# Altium PCB PCB.PcbDoc (part 1 of 3) (continued)
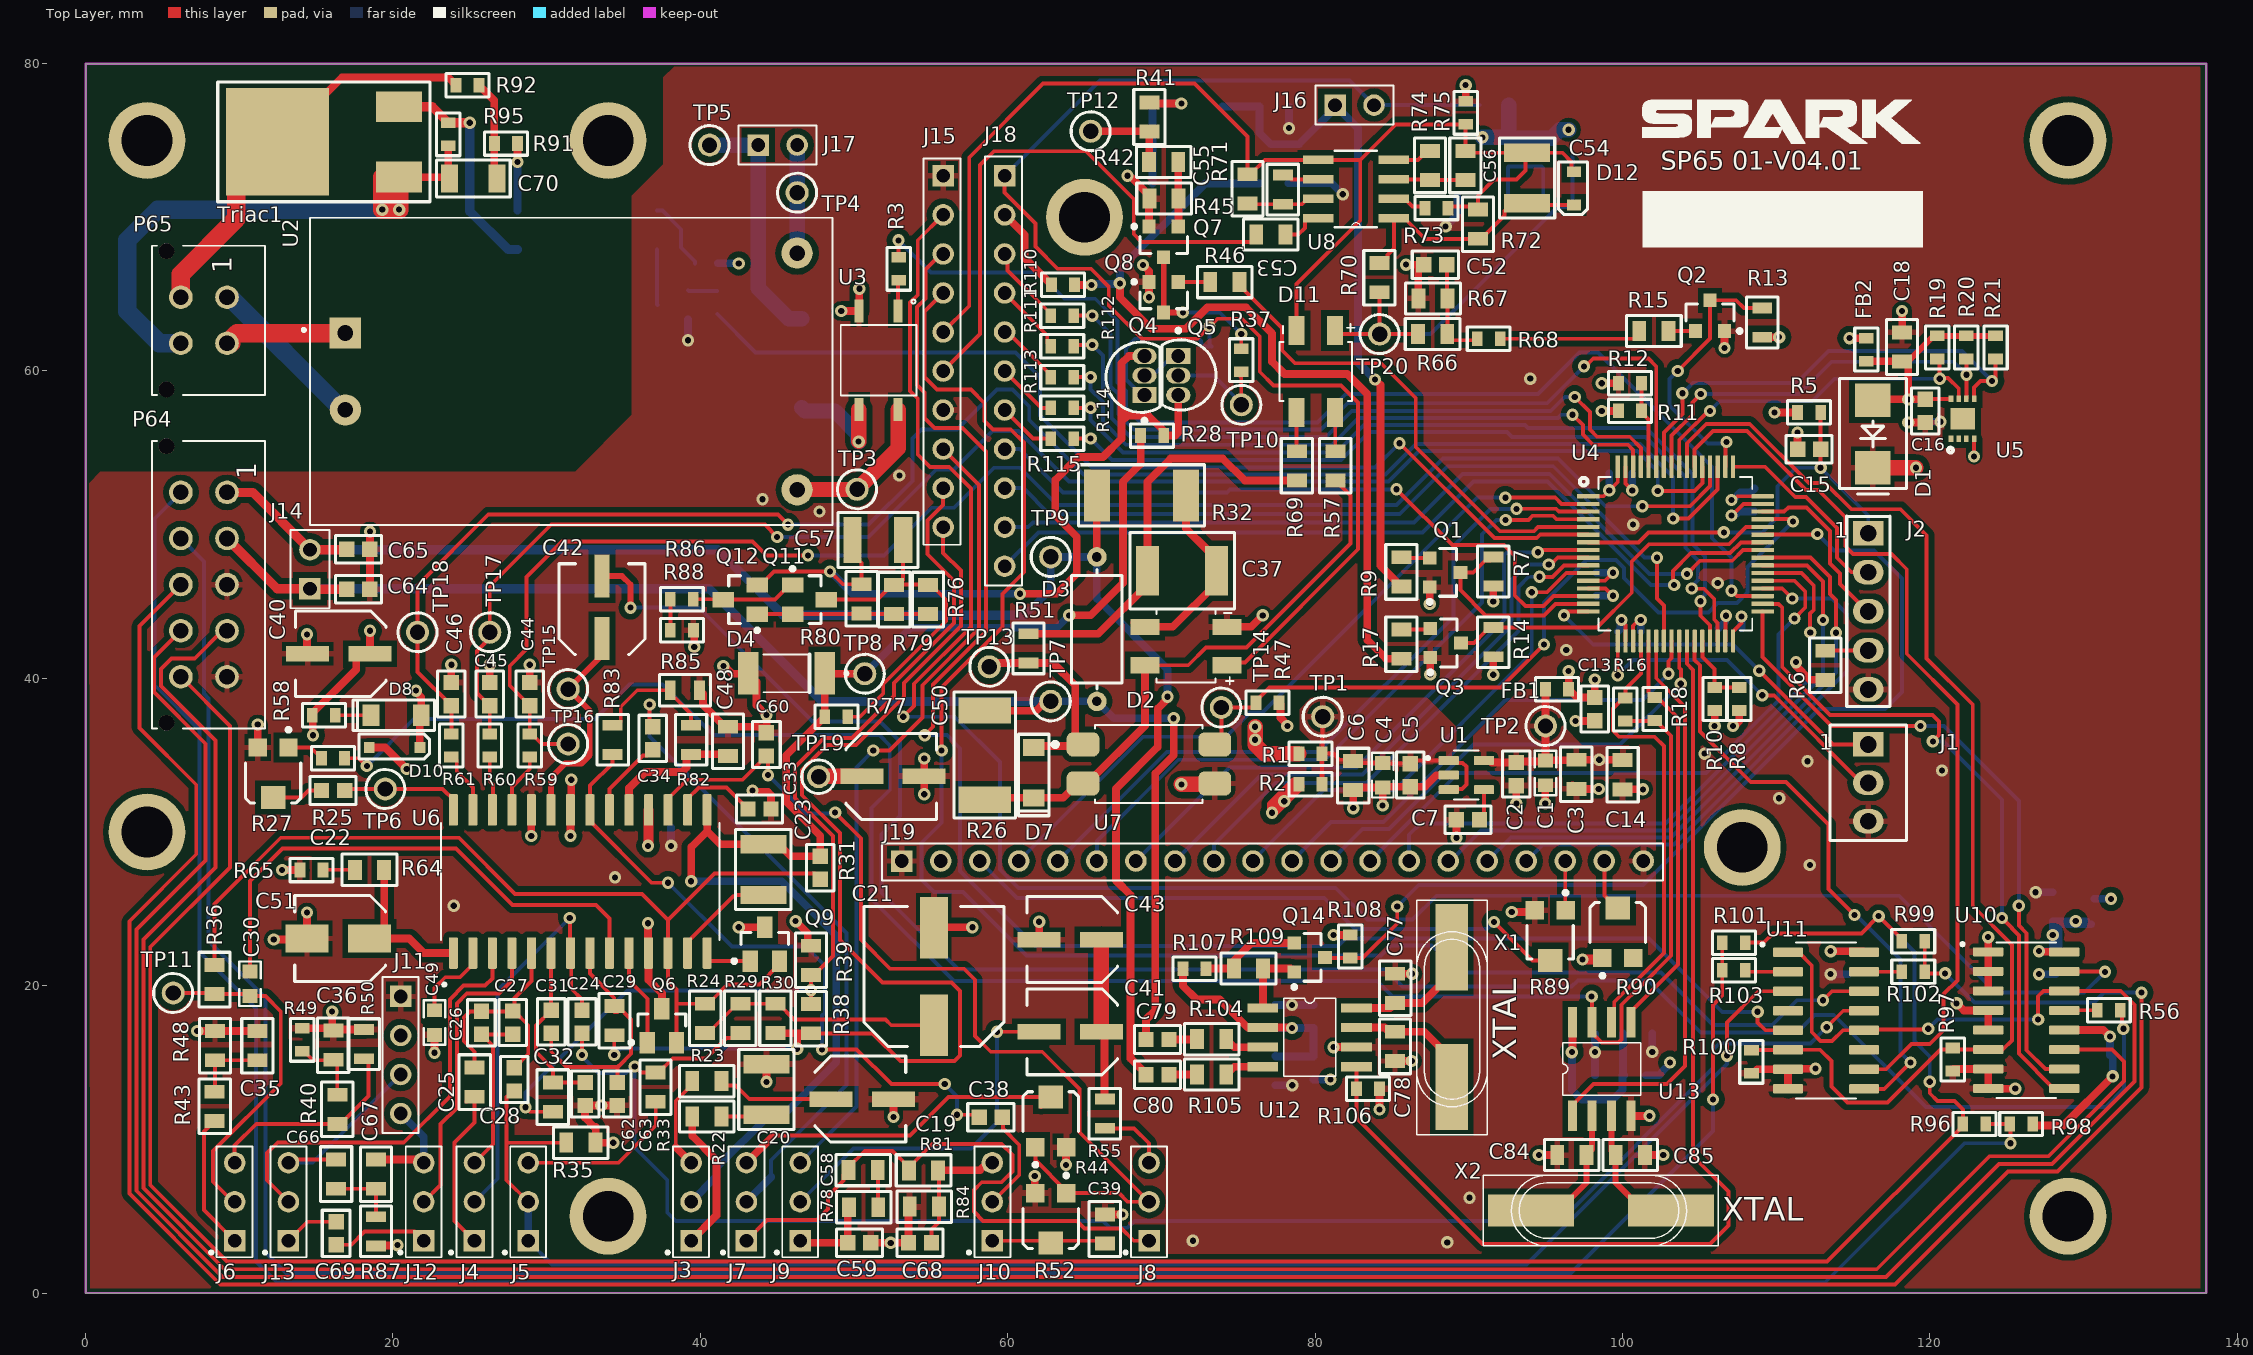
[diagram p0: Top Layer view]
## Footprints (in the part's own frame and the unit in brackets; to place one, negate y for a bottom-side part, rotate by r counter-clockwise, add the part's x,y. Pads: shape width x height; smd on the part's side, far side on the other; paste and mask are expansions set on the pad) (continued)
  silkscreen extent -2.95,-2.79 2.95,2.79, body extent -2.95,-2.67 2.95,2.54, height 5.5
"CAPAE6767X56M 100UF 16V" [mm]
  rect 2.8x1 smd: 1(-2.286,-0.381) 2(1.769,-0.381)
  silkscreen extent -3.33,-3.17 2.57,2.41, body extent -3.33,-3.05 2.57,2.16, height 5.5
"CAPAE9290X56M 220UF 6.3V" [mm]
  rect 4x1.8 smd: 1(-3.175,0) 2(3.175,0)
  silkscreen extent -4.55,-4.55 4.55,4.55, body extent -4.55,-4.55 4.55,4.55, height 5.65
"CAPAE9984X105M 470UF 6.3V" [mm]
  rect 2.8x1 smd: 1(2.032,2.159) 2(6.087,2.159)
  silkscreen extent 0.99,-0.63 6.89,4.95, body extent 0.99,-0.51 6.89,4.7, height 5.5
demultiplexer [mm]
  rrect25% 1.97x0.6 smd: 1(-2.348,8.001) 2(-2.348,6.731) 3(-2.348,5.461) 4(-2.348,4.191) 5(-2.348,2.921) 6(-2.348,1.651) 7(-2.348,0.381) 8(-2.348,-0.889) 9(2.602,-0.889) 10(2.602,0.381) 11(2.602,1.651) 12(2.602,2.921) 13(2.602,4.191) 14(2.602,5.461) 15(2.602,6.731) 16(2.602,8.001)
  silkscreen extent -4.12,-1.51 2.08,8.62, body extent -2.87,-1.52 3.12,8.38, height 1.75
DIOB_MB10F-13 [mm]
  rect 1.875x1.05 smd: 1(-2.662,1.25) 2(2.662,1.25) 3(-2.662,-1.25) 4(2.662,-1.25)
  silkscreen extent -3.1,-2.36 1.92,2.52, body extent -3.4,-2.45 3.4,2.45, height 1.61
"Diode - 27V" [mm]
  rect 0.7x0.9 smd: 1(1.143,0) 2(-1.016,0)
  silkscreen extent -1.65,-1.02 1.78,0.89, body extent -1.25,-0.63 1.25,0.63, height 1.1
DIOMELF5124N [mm]
  rect 1.34x2.78 smd: A(2.485,0) C(-2.485,0)
  silkscreen extent -4,-1.23 1.5,1.23, body extent -2.55,-1.35 2.6,1.3, height 2.66
DO-214AA-2 [mil]
  rect 60x86 smd: 1(-90,0) 2(90,0)
  silkscreen extent -115,-80 100,97, body extent -106,-71 106,71, height 90
DSS [mil]
  round 50 hole 25: 1(185,0) 2(-185,0)
  silkscreen extent -153,-65 153,65, body extent -193,-44 191,45, height 90
FAIR-SOT23-3_V [mm] "SOT23, 3-Leads, Body 3.12x1.5mm, Pitch 0.95mm"
  rect 1.4x1 smd: 1(-1.1,0.95) 2(-1.1,-0.95) 3(1.1,0)
  silkscreen extent -1.22,-1.55 0.75,2.12, body extent -1.35,-1.56 1.35,1.56, height 1.2
"HDR_MALE_1x3_2.5MM_AMP EI_VERT" [mm]
  rect 2x1.6 hole 1.1: 1(0,2.5)
  oval 2x1.6 hole 1.1: 2(0,0) 3(0,-2.5)
  silkscreen extent -2.5,-3.75 2.5,3.75, body extent -2.4,-3.75 2.5,3.75, height 10.41
HDR_male_1x5_2.54mm [mm]
  rect 2x1.6 hole 1.1: 1(0,5.08)
  oval 2x1.6 hole 1.1: 2(0,2.54) 3(0,0) 4(0,-2.54) 5(0,-5.08)
  silkscreen extent -1.4,-6.18 1.4,6.19, body extent -1.17,-6.15 1.17,6.15, height 8.14
HLK-PMO1 [mil]
  rect 80x80 hole 40: 1(-768.74,333.43)
  round 80 hole 40: 2(-768.74,136.57) 3(388.74,538.15) 4(388.74,-68.15)
  silkscreen extent -879,-159 479,629, body extent -859,-163 479,633, height 594
KSTN-5003 [mm] "Test Point, Through Hole, Dia 2.54mm"
  round 1.5 hole 1: 1(0,0)
  silkscreen extent -1.27,-1.27 1.27,1.27, body extent -1.27,-1.27 1.27,1.27, height 4.57
LM [mm]
  rrect25% 1.32x0.59 smd: 1(1.998,-0.396) 2(1.998,0.554) 3(1.998,1.504) 4(-0.292,1.504) 5(-0.292,-0.396)
  silkscreen extent 0.05,-1.05 3.45,2.15, body extent -0.51,-0.89 2.29,2.06, height 1.19
NV24C16UV [mm]
  rect 0.4x0.3 smd: 1(0.094,1.397) 2(0.094,0.897) 3(0.094,0.397) 4(0.094,-0.103) 5(2.692,-0.103) 6(2.692,0.397) 7(2.692,0.897) 8(2.692,1.397)
  rect 1.4x1.6 smd: PAD(1.397,0.635)
  body extent -0.13,-0.37 2.87,1.64, height 0.6
"POWER 10 PIN" [mm]
  round 1.53 hole 1.02: 1(6.254,0.532) 2(3.254,0.532) 3(0.254,0.532) 4(-2.746,0.532) 5(-5.746,0.532) 6(6.254,3.532) 7(3.254,3.532) 8(0.254,3.532) 9(-2.746,3.532) 10(-5.746,3.532)
  round 1.02 hole 1.02 unplated: 11(9.254,4.472) 12(-8.746,4.472)
  silkscreen extent -9.1,-1.95 9.6,5.41, body extent -9.09,-1.92 9.61,6.84, height 9.98
power-4pin [mm]
  round 1.53 hole 1.02: 1(1.373,0.659) 2(-1.627,0.659) 3(1.373,3.659) 4(-1.627,3.659)
  round 1.02 hole 1.02 unplated: 5(4.373,4.599) 6(-4.627,4.599)
  silkscreen extent -4.98,-1.82 4.72,5.54, body extent -4.95,-1.84 4.75,6.92, height 9.93
R0603 [mm]
  rect 0.7x0.95 smd: 1(-0.75,0) 2(0.75,0)
  silkscreen extent -1.4,-0.76 1.4,0.76, body extent -0.8,-0.4 0.8,0.4, height 0.85
R0805 [mm]
  rect 0.7x1.3 smd: 1(-0.95,0) 2(0.95,0)
  silkscreen extent -1.65,-1.02 1.65,1.02, body extent -1,-0.6 1,0.6, height 0.71
R2512 [mm] "Molded Resistor, 2-Leads, Body 6.4x3.2mm, IPC Medium Density"
  rect 1.7x3.4 smd mask+0.15: 1(-2.9,0) 2(2.9,0)
  silkscreen extent -4.1,-2 4.1,2, body extent -3.23,-1.58 3.07,1.58, height 0.82
"SMB (DO-214AA)" [mm]
  rect 2.2x2.3 smd: 1(-2.2,0) 2(2.2,0)
  silkscreen extent -3.6,-2.18 3.91,2.18, body extent -2.74,-1.94 2.85,2.01, height 2.6
SOD-123 [mm]
  rect 1.1x1.4 smd: 1(1.64,0) 2(-1.64,0)
  silkscreen extent -2.8,-1 2.5,1, body extent -1.85,-0.8 1.85,0.8, height 1.22
SOIC254P975X460-4N [mm]
  rrect50% 2.13x1.57 smd: 1(-4.29,1.27) 2(-4.29,-1.27) 3(4.29,-1.27) 4(4.29,1.27)
  silkscreen extent -6.25,-2.54 3.5,2.54, body extent -5,-2.29 5,2.29, height 3.86
SOP4 [mm]
  rect 1.5x0.6 smd: 1(-2.697,2.667) 2(-2.697,0.127) 3(3.713,0.127) 4(3.713,2.667)
  silkscreen extent -3.44,-1.06 2.79,3.86, body extent -2.89,-0.75 3.91,3.55, height 2.1
SOT23127P600-8N [mm]
  rect 0.9x0.85 smd: 1(-1,-0.95) 2(-1,0.95) 3(1,0)
  silkscreen extent -1.12,-2.05 0.75,1.55, body extent -1.3,-1.55 1.3,1.55, height 1.2
SSOIC8 [mm]
  rect 2x0.6 smd: 1(-3.048,1.905) 2(-3.048,0.635) 3(-3.048,-0.635) 4(-3.048,-1.905) 5(3.048,-1.905) 6(3.048,-0.635) 7(3.048,0.635) 8(3.048,1.905)
  silkscreen extent -1.69,-2.54 1.72,2.54, body extent -3.1,-2.5 3.1,2.5, height 1.75
STM32L100RCT6TR-Footprint-1 [mm]
  rrect25% 1.47x0.28 smd: 1(-5.67,3.75) 2(-5.67,3.25) 3(-5.67,2.75) 4(-5.67,2.25) 5(-5.67,1.75) 6(-5.67,1.25) 7(-5.67,0.75) 8(-5.67,0.25) 9(-5.67,-0.25) 10(-5.67,-0.75) 11(-5.67,-1.25) 12(-5.67,-1.75) 13(-5.67,-2.25) 14(-5.67,-2.75) 15(-5.67,-3.25) 16(-5.67,-3.75) 33(5.67,-3.75) 34(5.67,-3.25) 35(5.67,-2.75) 36(5.67,-2.25) 37(5.67,-1.75) 38(5.67,-1.25) 39(5.67,-0.75) 40(5.67,-0.25) 41(5.67,0.25) 42(5.67,0.75) 43(5.67,1.25) 44(5.67,1.75) 45(5.67,2.25) 46(5.67,2.75) 47(5.67,3.25) 48(5.67,3.75)
  rrect25% 0.28x1.47 smd: 17(-3.75,-5.67) 18(-3.25,-5.67) 19(-2.75,-5.67) 20(-2.25,-5.67) 21(-1.75,-5.67) 22(-1.25,-5.67) 23(-0.75,-5.67) 24(-0.25,-5.67) 25(0.25,-5.67) 26(0.75,-5.67) 27(1.25,-5.67) 28(1.75,-5.67) 29(2.25,-5.67) 30(2.75,-5.67) 31(3.25,-5.67) 32(3.75,-5.67) 49(3.75,5.67) 50(3.25,5.67) 51(2.75,5.67) 52(2.25,5.67) 53(1.75,5.67) 54(1.25,5.67) 55(0.75,5.67) 56(0.25,5.67) 57(-0.25,5.67) 58(-0.75,5.67) 59(-1.25,5.67) 60(-1.75,5.67) 61(-2.25,5.67) 62(-2.75,5.67) 63(-3.25,5.67) 64(-3.75,5.67)
  silkscreen extent -6.22,-5 5,5, body extent -6,-6 6,6, height 1.6
SW-TRIAC [mm]
  rrect25% 2.09x1.39 smd: 1(-3.524,3.302) 2(-3.524,0.762) 3(5.556,0.762) 4(5.556,3.302)
  silkscreen extent -2.48,-0.52 4.52,4.58, body extent -4.06,-0.27 6.1,4.33, height 3.86
TE_5-146274-2 [mm]
  rect 1.398x1.398 hole 0.89: 1(-1.27,0)
  round 1.398 hole 0.89: 2(1.27,0)
  silkscreen extent -2.54,-1.27 2.54,1.27, body extent -2.54,-1.27 2.54,1.27, height 8.45
TE_5-146274-3 [mm]
  rect 1.398x1.398 hole 0.89: 1(-2.54,0)
  round 1.398 hole 0.89: 2(0,0) 3(2.54,0)
  silkscreen extent -3.61,-1.17 3.61,1.62, body extent -3.61,-1.17 3.61,1.17, height 8.13
UNIC-TO-92-3 [mm] "TO-92, 3-Leads, Dia 4.58mm, Pitch 1.27mm"
  rect 1.05x1.575 hole 0.9: 1(1.27,0)
  oval 1.05x1.575 hole 0.9: 2(0,0) 3(-1.27,0)
  silkscreen extent -2.18,-2.5 3.05,1, body extent -2.3,-2.6 2.3,0.94, height 7.23
XTAL [mm]
  rect 5.6x2.1 smd: 1(0,0) 2(9.1,0)
  silkscreen extent -3.05,-2.29 12.2,2.31, body extent -1.07,-2.34 10.43,2.36, height 3.9
"Zener 5.1V" [mm]
  rect 0.7x0.7 smd: 1(1.651,0) 2(-1.651,0)
  silkscreen extent -2.25,-0.76 2.29,0.89, body extent -1.78,-0.77 1.87,0.78, height 1.43

## Part data
C1 C4 C30 C49: library part Cap_1uF_25V_0603, "Cap_1uF_10%_X5R_25V_0603", Manufacturer=Samsung, MFR PART NO=CL10A105KA8NNNC
C2 C5 C8 C9 C10 C11 C12 C13 C15 C17 C22 C24 C27 C28 C34 C60 C61 C71 C74 C81: library part CMP-001-00108-2, "YAGEO - CC0603KRX7R8BB104 - CERAMIC CAPACITOR, 0.1UF, 25V, X7R, 10%, 0603, FULL REEL", Case Code (Metric)=1608, Case/Package=0603, Dielectric=X7R, Manufacturer 1=Yageo, Max Operating Temperature=125°C, Min Operating Temperature=-55°C, Package Quantity=1, Resistor Type=Ceramic, Tolerance=10%, Voltage=25V, Category="Ceramic Capacitors", ComponentLink1Description=https://datasheet.ciiva.com/144/mlccorderingcode-144075.pdf?src-supplier=Digi-Key, ComponentLink1URL=https://datasheet.ciiva.com/144/mlccorderingcode-144075.pdf?src-supplier=Digi-Key, ComponentLink2Description=https://datasheet.ciiva.com/11786/0900766b80c10176-11786120.pdf?src-supplier=RSComponents, ComponentLink2URL=https://datasheet.ciiva.com/11786/0900766b80c10176-11786120.pdf?src-supplier=RSComponents, ComponentLink3Description=https://datasheet.ciiva.com/7978/1489800-7978155.pdf?src-supplier=Element14, ComponentLink3URL=https://datasheet.ciiva.com/7978/1489800-7978155.pdf?src-supplier=Element14, ComponentLink4Description=https://datasheet.ciiva.com/28450/1489800-28450584.pdf?src-supplier=Element14, ComponentLink4URL=https://datasheet.ciiva.com/28450/1489800-28450584.pdf?src-supplier=Element14, ComponentLink5Description=https://datasheet.ciiva.com/144/mlccorderingcode-144074.pdf?src-supplier=Digi-Key, ComponentLink5URL=https://datasheet.ciiva.com/144/mlccorderingcode-144074.pdf?src-supplier=Digi-Key, ComponentLink6Description=https://datasheet.ciiva.com/144/mlccorderingcode-144073.pdf?src-supplier=Digi-Key, ComponentLink6URL=https://datasheet.ciiva.com/144/mlccorderingcode-144073.pdf?src-supplier=Digi-Key, ComponentLink7Description=https://datasheet.ciiva.com/13389/upy-gphc-x7r-6-3v-to-50v-8-13389352.pdf?src-supplier=Mouser, ComponentLink7URL=https://datasheet.ciiva.com/13389/upy-gphc-x7r-6-3v-to-50v-8-13389352.pdf?src-supplier=Mouser, ComponentLink8Description=https://datasheet.ciiva.com/11587/upy-gphc-x7r-6-3v-to-50v-8-11587208.pdf?src-supplier=Avnet, ComponentLink8URL=https://datasheet.ciiva.com/11587/upy-gphc-x7r-6-3v-to-50v-8-11587208.pdf?src-supplier=Avnet, ComponentLink9Description=https://datasheet.ciiva.com/26829/getdatasheetpartid-403577-26829431.pdf?src-supplier=Verical, ComponentLink9URL=https://datasheet.ciiva.com/26829/getdatasheetpartid-403577-26829431.pdf?src-supplier=Verical, ComponentLink10Description=https://datasheet.ciiva.com/17434/upy-gphc-x7r-6-3v-to-50v-8-17434263.pdf?src-supplier=Avnet+Europe, ComponentLink10URL=https://datasheet.ciiva.com/17434/upy-gphc-x7r-6-3v-to-50v-8-17434263.pdf?src-supplier=Avnet+Europe, Depth=0.8mm, Design Item ID=CC0603KRX7R8BB104, Halogen Free="Halogen Free", Height=0.8mm, Lead Free="Lead Free", Length=1.6mm, Manufacturer Part Number 1=CC0603KRX7R8BB104, Mount="Surface Mount", Packaging="Tape and Reel", Pins=2, Pricing 1="1=0.10000, 10=0.05000, 50=0.02720, 100=0.02220, 500=0.01586, 1000=0.01246 (USD)", Radiation Hardening=No, REACH SVHC=Unknown, RoHS=Yes, RoHS Compliant=Yes, Series=CC, Source=PTZLib.SchLib, Stock 1=4053185, Termination=SMD/SMT, Thickness=0.035inch, Voltage Rating=25V, Voltage Rating (DC)=25V, Width=0.8mm
C3 C6 C14 C18 C73 C76 C83: library part CMP-001-00180-2, "Ceramic Capacitor, 10UF, 6.3V, X5R, 10%, 0805, Full Reel", Capacitor Type="Ceramic Capacitors", Case Code (Metric)=2012, Case/Package=0805, Dielectric=X5R, Dielectric Material=Ceramic, Manufacturer=KEMET, Max Operating Temperature=85°C, Min Operating Temperature=-55°C, Tolerance=10%, Voltage Rating=6.3V, ComponentLink1Description=https://datasheet.ciiva.com/7842/kem-c1006-x5r-smd-7842200.pdf?src-supplier=Element14, ComponentLink1URL=https://datasheet.ciiva.com/7842/kem-c1006-x5r-smd-7842200.pdf?src-supplier=Element14, ComponentLink2Description=https://datasheet.ciiva.com/7842/kem-c1006-x5r-smd-7842201.pdf?src-supplier=Element14, ComponentLink2URL=https://datasheet.ciiva.com/7842/kem-c1006-x5r-smd-7842201.pdf?src-supplier=Element14, ComponentLink3Description=https://datasheet.ciiva.com/7842/40889-7842553.pdf?src-supplier=Element14, ComponentLink3URL=https://datasheet.ciiva.com/7842/40889-7842553.pdf?src-supplier=Element14, ComponentLink4Description=https://datasheet.ciiva.com/7842/40889-7842554.pdf?src-supplier=Element14, ComponentLink4URL=https://datasheet.ciiva.com/7842/40889-7842554.pdf?src-supplier=Element14, ComponentLink5Description=https://datasheet.ciiva.com/18193/getdatasheetpartid-320652-18193500.pdf?src-supplier=Verical, ComponentLink5URL=https://datasheet.ciiva.com/18193/getdatasheetpartid-320652-18193500.pdf?src-supplier=Verical, Construction=Flat, Contact Material=Tin, Depth=1.25mm, Dissipation Factor=5%, Height=1.25mm, Lead Free="Lead Free", Lead Pitch=0.75mm, Length=2mm, Manufacturer Part Number=C0805C106K9PACTU, Mount="Surface Mount", Mounting Technology=SMD/SMT, Packaging="Tape and Reel", Pins=2, Radiation Hardening=No, Reach SVHC Compliant=No, RoHS Compliant=Yes, Series="SMD Comm X5R", Voltage Rating (DC)=6.3V, Width=1.2mm
C7 C16 C31 C33 C52 C69 C72 C75 C79 C80 C82: library part CMP-001-00096-2, "0603 10nF 50 V ±10 % Tolerance X7R Surface Mount Multilayer Ceramic Capacitor", Case Code (Metric)=1608, Case/Package=0603, Dielectric=X7R, Dielectric Material=Ceramic, Insulation Resistance=100GR, Manufacturer="Kyocera AVX", Max Operating Temperature=125°C, Min Operating Temperature=-55°C, Tolerance=10%, Voltage=50V, Category="Ceramic Capacitors", ComponentLink1Description=https://datasheet.ciiva.com/2987/cx7r-2987824.pdf?src-supplier=Avnet, ComponentLink1URL=https://datasheet.ciiva.com/2987/cx7r-2987824.pdf?src-supplier=Avnet, ComponentLink2Description=https://datasheet.ciiva.com/1124/1679506-1124848.pdf?src-supplier=Element14, ComponentLink2URL=https://datasheet.ciiva.com/1124/1679506-1124848.pdf?src-supplier=Element14, ComponentLink3Description=https://datasheet.ciiva.com/7855/1679506-7855082.pdf?src-supplier=Element14, ComponentLink3URL=https://datasheet.ciiva.com/7855/1679506-7855082.pdf?src-supplier=Element14, ComponentLink4Description=https://datasheet.ciiva.com/150/cx7r-150227.pdf?src-supplier=Digi-Key, ComponentLink4URL=https://datasheet.ciiva.com/150/cx7r-150227.pdf?src-supplier=Digi-Key, ComponentLink5Description=https://datasheet.ciiva.com/150/cx7r-150229.pdf?src-supplier=Digi-Key, ComponentLink5URL=https://datasheet.ciiva.com/150/cx7r-150229.pdf?src-supplier=Digi-Key, Contact Plating=Tin,Matte, Depth=0.81mm, Design Item ID=06035C103KAT2A, Dissipation Factor=2.5%, Height=0.9mm, Lead Free="Lead Free", Length=1.6mm, Manufacturer Part Number=06035C103KAT2A, Mount="Surface Mount,PCB", Packaging="Tape and Reel", Pins=2, Radiation Hardening=No, REACH SVHC="No SVHC", RoHS=Yes, Stock 1=4334081, Termination=SMD/SMT, Thickness=0.035inch, Voltage Rating=50V, Voltage Rating (DC)=50V, Width=0.032inch
C19 C41 C42 C43 C50: "ALU Electrolytic; SMD; EEV; +105°C; 16VDC; 6.3µF; 6.3 x 5.4", Manufacturer=KEMET, Manufacturer Part Number=EEV107M016S9GAA, Category="Aluminum Electrolytic Capacitors", Component Type=Standard, Design Item ID=EEV107M016S9GAA, Pin Count=2, Pricing 1="1=0.46, 10=0.317, 50=0.223, 100=0.191, 1000=0.12, 10000=0.095 (USD)", RoHS=Yes, RoHS Compliant=No, Source=V4-TEL.SCHLIB, Stock 1=216169
C20 C23 C54: library part CMP-001-00121-2, "Capacitor 10 uF 35 VDC 1210, GRM32ER7YA106KA12L, Murata", Case Code (Metric)=3225, Case/Package=1210, Dielectric=X7R, Manufacturer 1=Murata, Max Operating Temperature=125°C, Min Operating Temperature=-55°C, Package Quantity=1, Tolerance=10%, Voltage=35V, Category="Ceramic Capacitors", ComponentLink1Description=https://datasheet.ciiva.com/22782/1747495-22782197.pdf?src-supplier=Farnell, ComponentLink1URL=https://datasheet.ciiva.com/22782/1747495-22782197.pdf?src-supplier=Farnell, ComponentLink2Description=https://datasheet.ciiva.com/3777/grm32er7ya106ka1223-3777248.pdf?src-supplier=Arrow+Electronics, ComponentLink2URL=https://datasheet.ciiva.com/3777/grm32er7ya106ka1223-3777248.pdf?src-supplier=Arrow+Electronics, ComponentLink3Description=https://datasheet.ciiva.com/11789/0900766b80ef921d-11789082.pdf?src-supplier=RSComponents, ComponentLink3URL=https://datasheet.ciiva.com/11789/0900766b80ef921d-11789082.pdf?src-supplier=RSComponents, ComponentLink4Description=https://datasheet.ciiva.com/29199/455226-da-01-en-vs-kondensator-1210-29199348.pdf?src-supplier=Conrad, ComponentLink4URL=https://datasheet.ciiva.com/29199/455226-da-01-en-vs-kondensator-1210-29199348.pdf?src-supplier=Conrad, ComponentLink5Description=https://datasheet.ciiva.com/29202/451166-da-01-de-vs-chip-kond-1210-10-0-uf-10pr-35-0v-x7r-29202478.pdf?src-supplier=Conrad, ComponentLink5URL=https://datasheet.ciiva.com/29202/451166-da-01-de-vs-chip-kond-1210-10-0-uf-10pr-35-0v-x7r-29202478.pdf?src-supplier=Conrad, ComponentLink6Description=https://datasheet.ciiva.com/143/partnumbering-e-01-143241.pdf?src-supplier=Digi-Key, ComponentLink6URL=https://datasheet.ciiva.com/143/partnumbering-e-01-143241.pdf?src-supplier=Digi-Key, ComponentLink7Description=https://datasheet.ciiva.com/143/partnumbering-e-01-143242.pdf?src-supplier=Digi-Key, ComponentLink7URL=https://datasheet.ciiva.com/143/partnumbering-e-01-143242.pdf?src-supplier=Digi-Key, ComponentLink8Description=https://datasheet.ciiva.com/11607/product-11607514.pdf?src-supplier=Avnet, ComponentLink8URL=https://datasheet.ciiva.com/11607/product-11607514.pdf?src-supplier=Avnet, ComponentLink9Description=https://datasheet.ciiva.com/14116/grmseries-highdielectrictype-eng-14116380.pdf?src-supplier=Distrelec, ComponentLink9URL=https://datasheet.ciiva.com/14116/grmseries-highdielectrictype-eng-14116380.pdf?src-supplier=Distrelec, ComponentLink10Description=https://datasheet.ciiva.com/7937/1747495-7937786.pdf?src-supplier=Element14, ComponentLink10URL=https://datasheet.ciiva.com/7937/1747495-7937786.pdf?src-supplier=Element14, Construction=Flat, Depth=2.5mm, Design Item ID=GRM32ER7YA106KA12L, Height=2.5mm, Lead Free="Lead Free", Length=3.2mm, Manufacturer Part Number 1=GRM32ER7YA106KA12L, Material=Ceramic, Mount="Surface Mount", Packaging="Tape and Reel", Pricing 1="1=0.96000, 10=0.72800, 50=0.60520, 100=0.52110, 500=0.40344 (USD)", Radiation Hardening=No, REACH SVHC="No SVHC", RoHS=Yes, RoHS Compliant=Yes, Series=GRM, Source=PTZLib.SchLib, Termination=SMD/SMT, Thickness=0.106inch, Voltage Rating=35V, Voltage Rating (DC)=35V, Width=2.5mm
C21: "Smd Aluminium Electrolytic Capacitor, Wcap-Asli Series, 220 F, 6.3 V, Radial Can - Smd, 6.3 Mm Rohs Compliant: Yes", Case/Package=Radial, Manufacturer="Wurth Electronics", Manufacturer Part Number=865080143009, Max Operating Temperature=105°C, Min Operating Temperature=-55°C, Package Quantity=1000, Ripple Current=240mA, Tolerance=20%, Voltage Rating=6.3V, Category="Aluminum Electrolytic Capacitors", Component Type=Standard, ComponentLink1Description=http://www.farnell.com/datasheets/1880092.pdf?src-supplier=Farnell, ComponentLink1URL=http://www.farnell.com/datasheets/1880092.pdf?src-supplier=Farnell, ComponentLink2Description=http://www.farnell.com/datasheets/1880092.pdf?src-supplier=Element14, ComponentLink2URL=http://www.farnell.com/datasheets/1880092.pdf?src-supplier=Element14, ComponentLink3Description=http://www.farnell.com/datasheets/1880092.pdf?src-supplier=Newark, ComponentLink3URL=http://www.farnell.com/datasheets/1880092.pdf?src-supplier=Newark, ComponentLink4Description=https://katalog.we-online.de/pbs/datasheet/865080143009.pdf?src-supplier=Digi-Key, ComponentLink4URL=https://katalog.we-online.de/pbs/datasheet/865080143009.pdf?src-supplier=Digi-Key, ComponentLink5Description=http://katalog.we-online.de/pbs/datasheet/865080143009.pdf?src-supplier=Digi-Key, ComponentLink5URL=http://katalog.we-online.de/pbs/datasheet/865080143009.pdf?src-supplier=Digi-Key, Design Item ID=865080143009, Diameter=6.3mm, Height=5.5mm, Height - Seated (Max)=0.217inch, Impedance=480mR, Mount="Surface Mount", Packaging="Cut Tape", Pin Count=2, Pricing 1="1=0.28, 10=0.277, 50=0.237, 100=0.207, 1000=0.152, 10000=0.151 (USD)", Reach SVHC Compliant=Unknown, Ripple Current (AC)=240mA, RoHS=Yes, RoHS Compliant=Yes, Series=WCAP-ASLI, Source=V4-TEL.SCHLIB, Stock 1=1045, Voltage Rating (DC)=6.3V
C25: "Chip Capacitor 0805 MLCC X7R 0.033 uF+/ -20% 100 V T&R MH", Case/Package=0805, Dielectric=X7R, Manufacturer="Walsin Technologies", Manufacturer Part Number=0805B333M101CT, Max Operating Temperature=125°C, Min Operating Temperature=-55°C, Tolerance=20%, Category="Ceramic Capacitors", Component Type=Standard, Depth=1.25mm, Design Item ID=0805B333M101CT, Length=2mm, Packaging="Tape and Reel", Pin Count=2, Pricing 1="1=0.11, 10=0.082, 50=0.082, 100=0.039, 1000=0.023, 10000=0.016 (USD)", RoHS=Yes, RoHS Compliant=Yes, Source=V4-TEL.SCHLIB, Stock 1=197
C26: library part CMP-001-00194-1, "0603 820 nF 16 V ±10 % Tolerance X7R SMT Multilayer Ceramic Capacitor", Case Code (Imperial)=0603, Case Code (Metric)=1608, Dielectric=X7R, Dielectric Material=Ceramic, Manufacturer=Yageo, Manufacturer Part Number=CC0603KRX7R8BB104, Max Operating Temperature=125°C, Min Operating Temperature=-55°C, Package Quantity=1, Tolerance=10%, Voltage=16V, Case/Package=0603, Category="Ceramic Capacitors", Construction=Flat, Depth=0.8mm, Halogen Free="Halogen Free", Height=0.8mm, Lead Free="Lead Free", Length=1.6mm, Mounting Technology="Surface Mount", Packaging="Tape and Reel", Pins=2, Radiation Hardening=No, REACH SVHC=Unknown, Resistor Type=Ceramic, RoHS=Yes, RoHS Compliant=Yes, Series=CC, Termination=SMD/SMT, Thickness=0.035inch, Voltage Rating=16V, Voltage Rating (DC)=16V, Weight=7.1E-05oz, Width=0.8mm
C29 C32 C35 C36: "Multilayer Ceramic Capacitor, 0.015 F, 10%, X7R, 50 V, 0805 [2012 Metric] RoHS Compliant: Yes", Case Code (Metric)=2012, Case/Package=0805, Dielectric=X7R, Manufacturer="Walsin Technologies", Manufacturer Part Number=0805B153K500CT, Max Operating Temperature=125°C, Min Operating Temperature=-55°C, Tolerance=10%, Voltage Rating=50V, Category="Ceramic Capacitors", Component Type=Standard, ComponentLink1Description=https://datasheet.ciiva.com/26831/getdatasheetpartid-415808-26831383.pdf?src-supplier=Verical, ComponentLink1URL=https://datasheet.ciiva.com/26831/getdatasheetpartid-415808-26831383.pdf?src-supplier=Verical, Depth=1.25mm, Design Item ID=0805B153K500CT, Length=2mm, Packaging="Tape and Reel", Pin Count=2, Pricing 1="1=0.1, 10=0.071, 50=0.071, 100=0.032, 1000=0.019, 10000=0.016 (USD)", Radiation Hardening=No, Reach SVHC Compliant=Unknown, RoHS=Yes, RoHS Compliant=Yes, Source=V4-TEL.SCHLIB, Stock 1=4000, Voltage Rating (DC)=50V
C37: library part CMP-001-00172-2, "Cap Cer 0.68UF 250V X7R 1812", Manufacturer="Walsin Technologies", Voltage Rating=250V, ComponentLink1Description=https://datasheet.octopart.com/1812B684M251CT-Walsin-Technologies-datasheet-136533367.pdf?src-supplier=TECHDesign, ComponentLink1URL=https://datasheet.octopart.com/1812B684M251CT-Walsin-Technologies-datasheet-136533367.pdf?src-supplier=TECHDesign, ComponentLink2Description=https://datasheet.octopart.com/1812B684M251CT-Walsin-Technologies-datasheet-26371553.pdf, ComponentLink2URL=https://datasheet.octopart.com/1812B684M251CT-Walsin-Technologies-datasheet-26371553.pdf, Manufacturer Part Number=1812B684M251CT, Pins=2
C38 C68: library part CMP-001-00104-2, "Cap Ceramic 0.022uF 50V X7R 5% SMD 0603 150C Paper T/R", Case/Package=0603, Dielectric=X7R, Manufacturer 1="Vishay Vitramon", Max Operating Temperature=150°C, Min Operating Temperature=-55°C, Tolerance=5%, Voltage Rating (DC)=50V, Category="Ceramic Capacitors", ComponentLink1Description=http://components.arrow.com/part/dataview/0323_01552007?src-supplier=Arrow+Europe, ComponentLink1URL=http://components.arrow.com/part/dataview/0323_01552007?src-supplier=Arrow+Europe, ComponentLink2Description=http://www.vishay.com/docs/45199/vjcommercialseries.pdf?src-supplier=Digi-Key, ComponentLink2URL=http://www.vishay.com/docs/45199/vjcommercialseries.pdf?src-supplier=Digi-Key, ComponentLink3Description=http://www.vishay.com/docs/45199/commseri.pdf?src-supplier=Avnet, ComponentLink3URL=http://www.vishay.com/docs/45199/commseri.pdf?src-supplier=Avnet, ComponentLink4Description=http://www.vishay.com/docs/45199/commseri.pdf?src-supplier=Avnet+Europe, ComponentLink4URL=http://www.vishay.com/docs/45199/commseri.pdf?src-supplier=Avnet+Europe, Construction=Flat, Depth=0.8mm, Design Item ID=VJ0603Y223JXAAC, Length=1.6mm, Manufacturer Part Number 1=VJ0603Y223JXAAC, Mounting Technology="Surface Mount", Packaging="Tape and Reel", Pins=2, Radiation Hardening=No, RoHS=Yes, RoHS Compliant=Yes
C39: "Surface Mount Ceramic Multilayer Capacitor 0.022uF 10% X7R 100V 0805 Paper T/R", Case Code (Metric)=2012, Case/Package=0805, Dielectric=X7R, Manufacturer=Yageo, Manufacturer Part Number=CC0805KRX7R0BB223, Max Operating Temperature=125°C, Min Operating Temperature=-55°C, Package Quantity=1, Tolerance=10%, Voltage=100V, Category="Ceramic Capacitors", Component Type=Standard, ComponentLink1Description=https://datasheet.ciiva.com/25613/0900766b80528518-25613134.pdf?src-supplier=Rs, ComponentLink1URL=https://datasheet.ciiva.com/25613/0900766b80528518-25613134.pdf?src-supplier=Rs, ComponentLink2Description=https://datasheet.ciiva.com/11786/0900766b80d84f7f-11786064.pdf?src-supplier=Rs, ComponentLink2URL=https://datasheet.ciiva.com/11786/0900766b80d84f7f-11786064.pdf?src-supplier=Rs, ComponentLink3Description=https://datasheet.ciiva.com/7978/1447671-7978202.pdf?src-supplier=Element14, ComponentLink3URL=https://datasheet.ciiva.com/7978/1447671-7978202.pdf?src-supplier=Element14, ComponentLink4Description=https://datasheet.ciiva.com/176/mlccorderingcode-176941.pdf?src-supplier=Digi-Key, ComponentLink4URL=https://datasheet.ciiva.com/176/mlccorderingcode-176941.pdf?src-supplier=Digi-Key, ComponentLink5Description=https://datasheet.ciiva.com/176/mlccorderingcode-176940.pdf?src-supplier=Digi-Key, ComponentLink5URL=https://datasheet.ciiva.com/176/mlccorderingcode-176940.pdf?src-supplier=Digi-Key, ComponentLink6Description=https://datasheet.ciiva.com/176/mlccorderingcode-176942.pdf?src-supplier=Digi-Key, ComponentLink6URL=https://datasheet.ciiva.com/176/mlccorderingcode-176942.pdf?src-supplier=Digi-Key, ComponentLink7Description=https://datasheet.ciiva.com/11465/upy-np0x7r-mv-100-to-630v-9-11465277.pdf?src-supplier=Avnet, ComponentLink7URL=https://datasheet.ciiva.com/11465/upy-np0x7r-mv-100-to-630v-9-11465277.pdf?src-supplier=Avnet, ComponentLink8Description=https://datasheet.ciiva.com/17033/upy-np0x7r-mv-100-to-630v-9-17033259.pdf?src-supplier=Future+Electronics, ComponentLink8URL=https://datasheet.ciiva.com/17033/upy-np0x7r-mv-100-to-630v-9-17033259.pdf?src-supplier=Future+Electronics, ComponentLink9Description=https://datasheet.ciiva.com/26829/getdatasheetpartid-251804-26829547.pdf?src-supplier=Verical, ComponentLink9URL=https://datasheet.ciiva.com/26829/getdatasheetpartid-251804-26829547.pdf?src-supplier=Verical, Depth=1.25mm, Design Item ID=CC0805KRX7R0BB223, Height=0.85mm, Lead Free="Lead Free", Length=2mm, Mount="Surface Mount", Packaging="Tape and Reel", Pin Count=2, Pricing 1="1=0.1, 10=0.041, 50=0.041, 100=0.024, 1000=0.02, 10000=0.012 (USD)", Radiation Hardening=No, Reach SVHC Compliant=Unknown, RoHS=Yes, RoHS Compliant=Yes, Series=CC, Source=V4-TEL.SCHLIB, Stock 1=33056, Termination=SMD/SMT, Thickness=0.037inch, Voltage Rating=100V, Voltage Rating (DC)=100V, Weight=0.000194oz, Width=0.049inch
C40: "ALU Electrolytic; SMD; EDH; +105°C; 6.3VDC; 8µF; 8 x 10.2", Manufacturer=KEMET, Manufacturer Part Number=EDH477M6R3A9MAA, Category="Aluminum Electrolytic Capacitors", Component Type=Standard, Design Item ID=EDH477M6R3A9MAA, Pin Count=2, Pricing 1="1=0.64, 10=0.454, 50=0.343, 100=0.299, 1000=0.221, 10000=0.221 (USD)", RoHS=Yes, RoHS Compliant=No, Source=V4-TEL.SCHLIB, Stock 1=2806